# KiCad board motordecoder2-K3057.kicad_pcb (continued)
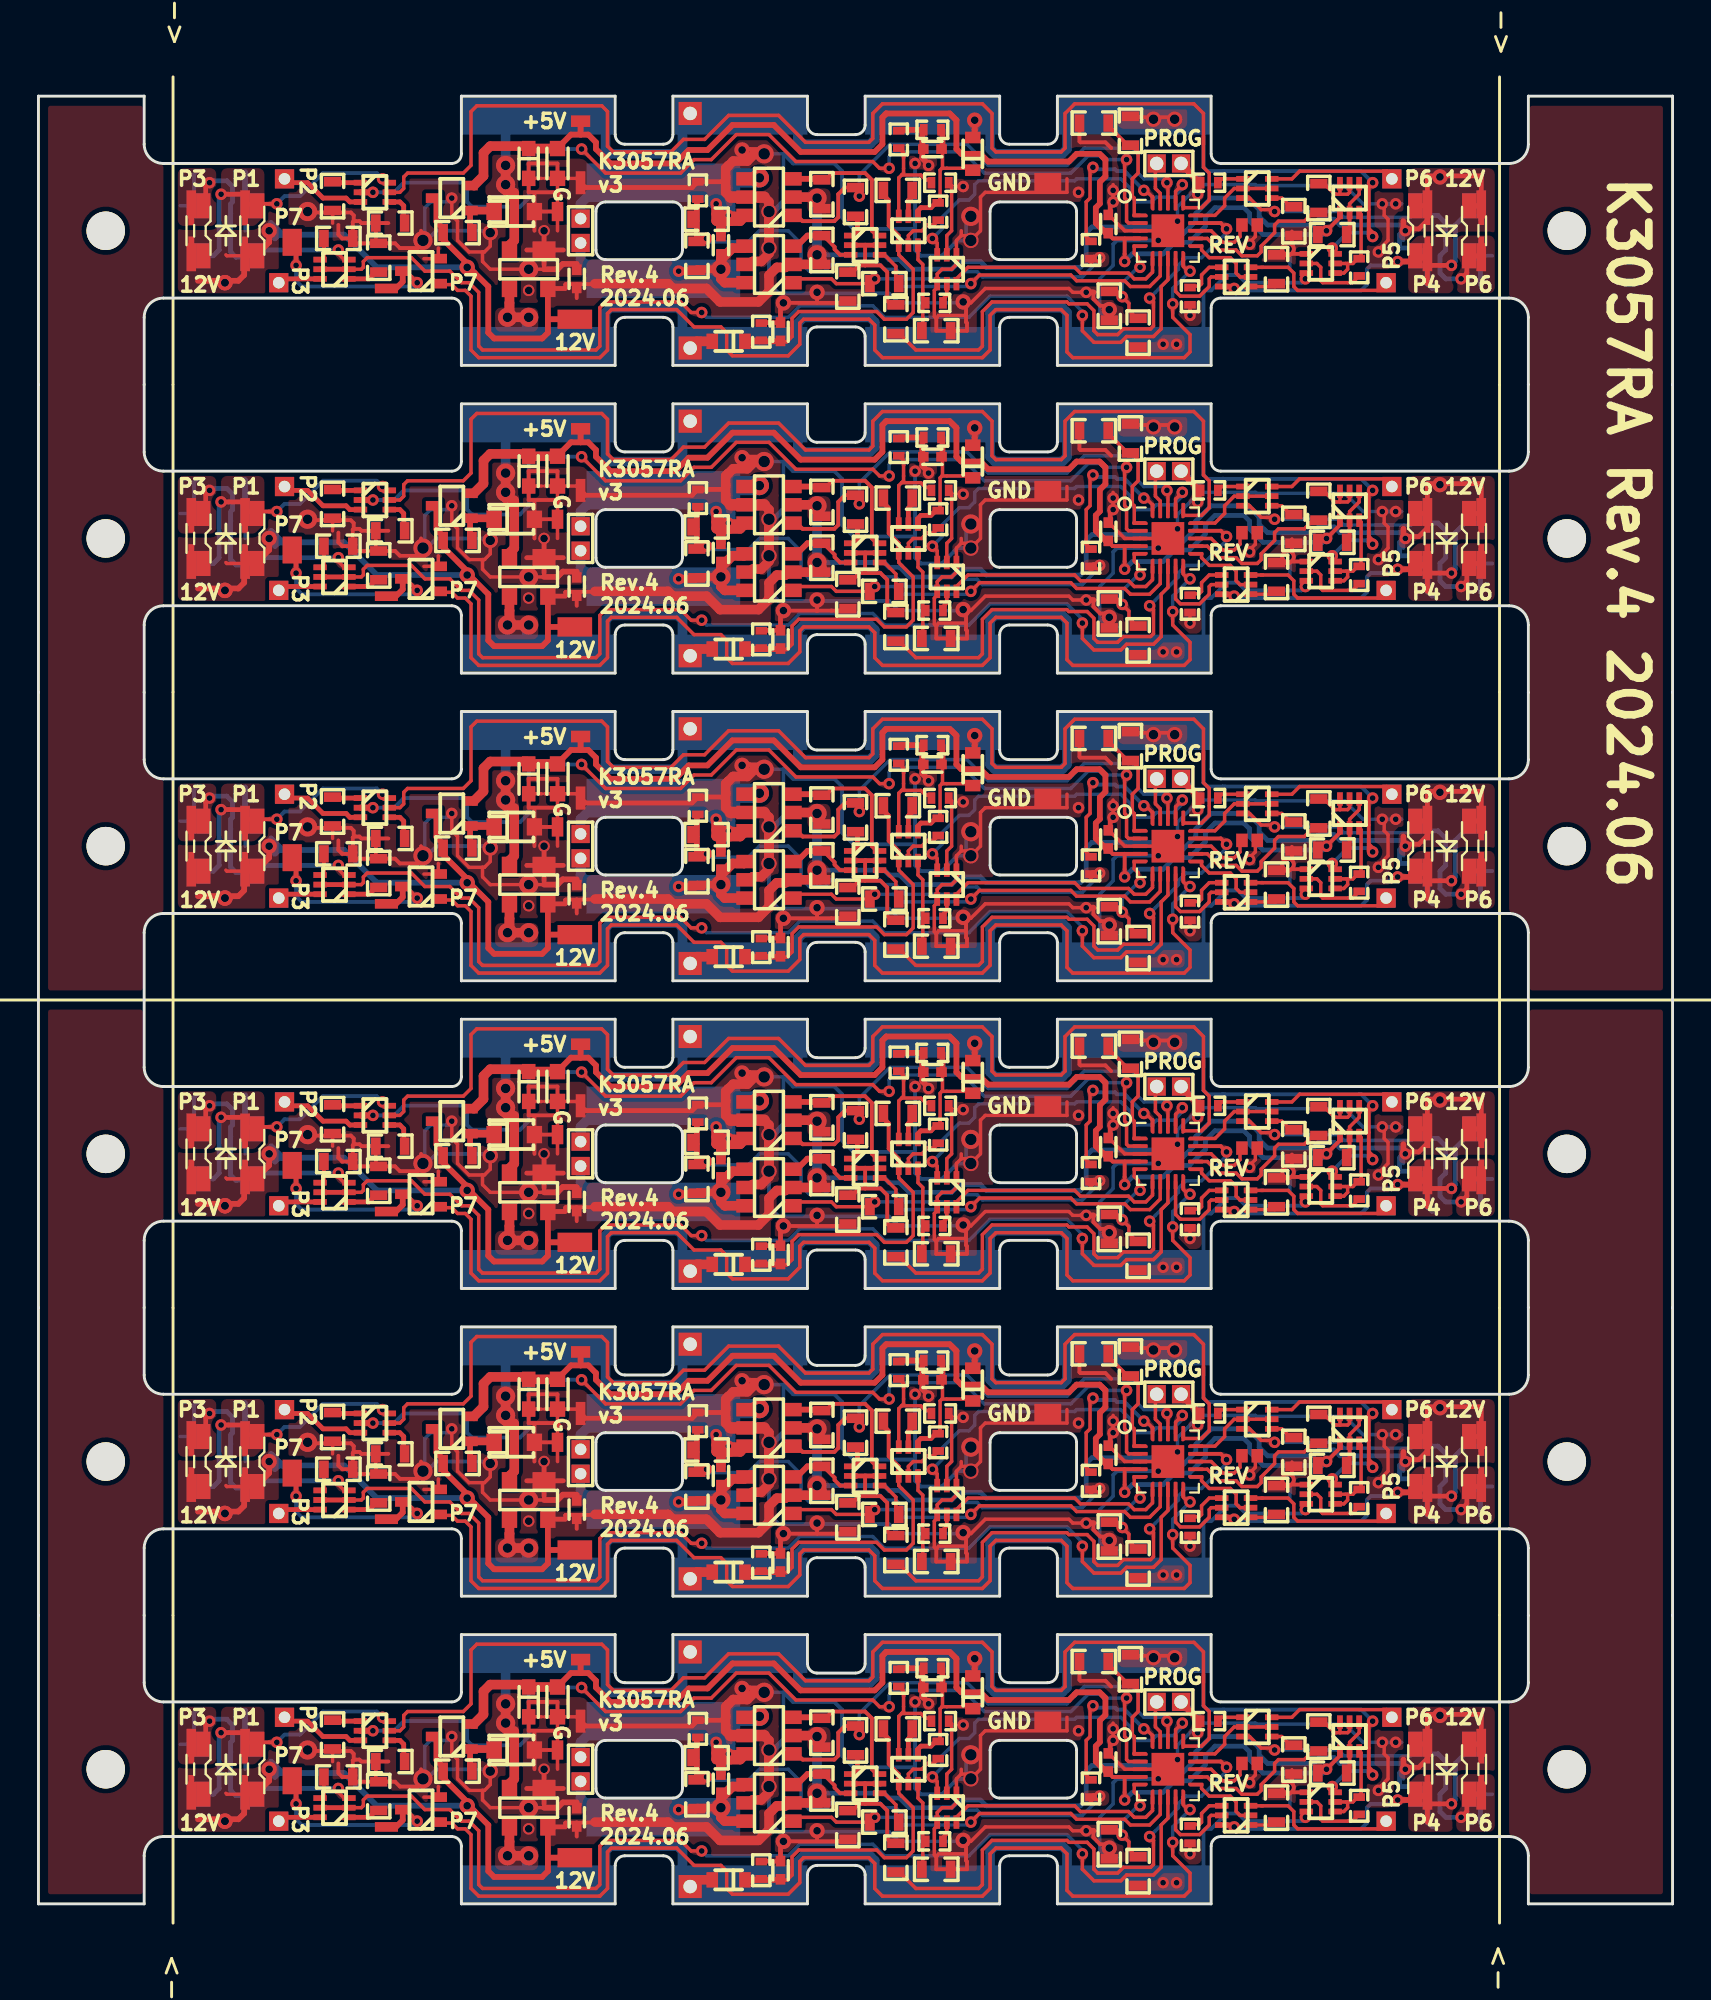
[diagram p0: board, top side]
## Nets (continued)
MOTOR-: C7.2 C10.2 C19.2 C26.2 C33.2 C40.2 P31.1 P32.2 P43.1 P44.2 P60.1 P61.2 P79.1 P80.2 P98.1 P99.2 P117.1 P118.2 Q2.4 Q2.6 Q7.4 Q7.6 Q28.4 Q28.6 Q41.4 Q41.6 Q54.4 Q54.6 Q67.4 Q67.6 R10.2 R44.2 R78.2 R112.2 R146.2 R180.2
PWM: R7.1 R41.1 R75.1 R109.1 R143.1 R177.1 U2.14 U3.14 U4.14 U5.14 U6.14 U7.14
RAIL+: D1.2 D2.2 D5.2 D7.2 D9.2 D21.2 D29.2 D39.2 D49.2 D59.2 D61.2 D71.2 P21.1 P22.1 P23.1 P24.1 P30.1 P33.1 P35.1 P36.1 P37.1 P45.1 P51.1 P52.1 P53.1 P54.1 P62.1 P70.1 P71.1 P72.1 P73.1 P81.1 P89.1 P90.1 P91.1 P92.1 P100.1 P108.1 P109.1 P110.1 P111.1 P119.1 Q8.6 Q17.6 Q32.6 Q45.6 Q58.6 Q71.6 R1.1 R19.1 R69.1 R103.1 R137.1 R171.1
RAIL-: D1.3 D2.3 D5.3 D7.3 D9.3 D22.2 D30.2 D40.2 D50.2 D60.2 D61.3 D72.2 P25.1 P26.1 P27.1 P28.1 P34.1 P38.1 P39.1 P40.1 P41.1 P46.1 P55.1 P56.1 P57.1 P58.1 P63.1 P74.1 P75.1 P76.1 P77.1 P82.1 P93.1 P94.1 P95.1 P96.1 P101.1 P112.1 P113.1 P114.1 P115.1 P120.1 Q8.3 Q17.3 Q32.3 Q45.3 Q58.3 Q71.3 R2.1 R20.1 R70.1 R104.1 R138.1 R172.1
REV: Q1.1 Q4.1 Q27.1 Q40.1 Q53.1 Q66.1 R5.2 R39.2 R73.2 R107.2 R141.2 R175.2 U2.18 U3.18 U4.18 U5.18 U6.18 U7.18
TXD: R13.2 R47.2 R81.2 R115.2 R149.2 R183.2 U2.12 U3.12 U4.12 U5.12 U6.12 U7.12
UPDI: P9.1 P15.1 P47.1 P66.1 P85.1 P104.1 U2.19 U3.19 U4.19 U5.19 U6.19 U7.19
VRAIL+: C11.1 C13.1 C20.1 C27.1 C34.1 C41.1 D21.1 D29.1 D39.1 D49.1 D59.1 D71.1 Q21.4 Q25.4 Q38.4 Q51.4 Q64.4 Q77.4 R31.2 R32.1 R61.2 R62.1 R95.2 R96.1 R129.2 R130.1 R163.2 R164.1 R197.2 R198.1
VRAIL-: C12.1 C14.1 C21.1 C28.1 C35.1 C42.1 D22.1 D30.1 D40.1 D50.1 D60.1 D72.1 Q21.1 Q25.1 Q38.1 Q51.1 Q64.1 Q77.1 R35.2 R36.1 R65.2 R66.1 R99.2 R100.1 R133.2 R134.1 R167.2 R168.1 R201.2 R202.1
Net-(D3-K): D3.1 D4.1 D6.1 D8.1 D10.1 D62.1 Q5.1 Q10.1 Q30.1 Q43.1 Q56.1 Q69.1 R12.2 R46.2 R80.2 R114.2 R148.2 R182.2
Net-(D11-K): D11.1 D13.1 D19.1 D23.1 D31.1 D33.1 D41.1 D43.1 D51.1 D53.1 D63.1 D65.1 Q11.6 Q18.6 Q33.6 Q46.6 Q59.6 Q72.6
Net-(D12-K): D12.1 D14.1 D20.1 D24.1 D32.1 D34.1 D42.1 D44.1 D52.1 D54.1 D64.1 D66.1 Q12.6 Q19.6 Q34.6 Q47.6 Q60.6 Q73.6
Net-(D15-K): D15.1 D17.1 D25.1 D27.1 D35.1 D37.1 D45.1 D47.1 D55.1 D57.1 D67.1 D69.1 Q14.3 Q23.3 Q36.3 Q49.3 Q62.3 Q75.3
Net-(D16-K): D16.1 D18.1 D26.1 D28.1 D36.1 D38.1 D46.1 D48.1 D56.1 D58.1 D68.1 D70.1 Q13.3 Q20.3 Q35.3 Q48.3 Q61.3 Q74.3
Net-(J12-Pin_1): J12.1 J13.1 J24.1 J30.1 J36.1 J42.1 Q12.3 Q19.3 Q34.3 Q47.3 Q60.3 Q73.3
Net-(J14-Pin_1): J14.1 J15.1 J25.1 J31.1 J37.1 J43.1 Q13.6 Q20.6 Q35.6 Q48.6 Q61.6 Q74.6
Net-(J16-Pin_1): J16.1 J17.1 J26.1 J32.1 J38.1 J44.1 Q14.6 Q23.6 Q36.6 Q49.6 Q62.6 Q75.6
Net-(J18-Pin_1): J18.1 J21.1 J27.1 J33.1 J39.1 J45.1 Q11.3 Q18.3 Q33.3 Q46.3 Q59.3 Q72.3
Net-(J19-Pin_1): J19.1 J20.1 J22.1 J23.1 J28.1 J29.1 J34.1 J35.1 J40.1 J41.1 J46.1 J47.1 Q15.3 Q24.3 Q37.3 Q50.3 Q63.3 Q76.3
Net-(Q1B-G): Q1.3 Q3.6 Q4.3 Q9.6 Q27.3 Q29.6 Q40.3 Q42.6 Q53.3 Q55.6 Q66.3 Q68.6 R3.2 R29.2 R71.2 R105.2 R139.2 R173.2
Net-(Q2B-G): Q2.3 Q3.3 Q7.3 Q9.3 Q28.3 Q29.3 Q41.3 Q42.3 Q54.3 Q55.3 Q67.3 Q68.3 R4.2 R30.2 R72.2 R106.2 R140.2 R174.2
Net-(Q3A-B1): Q3.2 Q3.5 Q9.2 Q9.5 Q29.2 Q29.5 Q42.2 Q42.5 Q55.2 Q55.5 Q68.2 Q68.5 R7.2 R8.1 R41.2 R42.1 R75.2 R76.1 R109.2 R110.1 R143.2 R144.1 R177.2 R178.1
Net-(Q3A-E1): Q3.1 Q9.1 Q29.1 Q42.1 Q55.1 Q68.1 R5.1 R39.1 R73.1 R107.1 R141.1 R175.1
Net-(Q3B-E2): Q3.4 Q9.4 Q29.4 Q42.4 Q55.4 Q68.4 R6.1 R40.1 R74.1 R108.1 R142.1 R176.1
Net-(Q6A-B1): Q6.2 Q6.4 Q16.2 Q16.4 Q31.2 Q31.4 Q44.2 Q44.4 Q57.2 Q57.4 Q70.2 Q70.4 R14.1 R48.1 R82.1 R116.1 R150.1 R184.1
Net-(Q6A-C1): Q6.5 Q6.6 Q16.5 Q16.6 Q31.5 Q31.6 Q44.5 Q44.6 Q57.5 Q57.6 Q70.5 Q70.6 R13.1 R47.1 R81.1 R115.1 R149.1 R183.1
Net-(Q6B-C2): Q6.3 Q8.4 Q8.5 Q16.3 Q17.4 Q17.5 Q31.3 Q32.4 Q32.5 Q44.3 Q45.4 Q45.5 Q57.3 Q58.4 Q58.5 Q70.3 Q71.4 Q71.5 R15.1 R49.1 R83.1 R117.1 R151.1 R185.1
Net-(Q8A-B1): Q8.2 Q17.2 Q32.2 Q45.2 Q58.2 Q71.2 R15.2 R49.2 R83.2 R117.2 R151.2 R185.2
Net-(Q11A-S): Q11.1 Q18.1 Q33.1 Q46.1 Q59.1 Q72.1 R21.1 R53.1 R87.1 R121.1 R155.1 R189.1
Net-(Q11B-S): Q11.4 Q18.4 Q33.4 Q46.4 Q59.4 Q72.4 R26.1 R58.1 R92.1 R126.1 R160.1 R194.1
Net-(Q12A-S): Q12.1 Q19.1 Q34.1 Q47.1 Q60.1 Q73.1 R22.1 R54.1 R88.1 R122.1 R156.1 R190.1
Net-(Q12B-S): Q12.4 Q19.4 Q34.4 Q47.4 Q60.4 Q73.4 R23.1 R55.1 R89.1 R123.1 R157.1 R191.1
Net-(Q13A-S): Q13.1 Q20.1 Q35.1 Q48.1 Q61.1 Q74.1 R24.1 R56.1 R90.1 R124.1 R158.1 R192.1
Net-(Q13B-S): Q13.4 Q20.4 Q35.4 Q48.4 Q61.4 Q74.4 R27.1 R59.1 R93.1 R127.1 R161.1 R195.1
Net-(Q14A-S): Q14.1 Q23.1 Q36.1 Q49.1 Q62.1 Q75.1 R25.1 R57.1 R91.1 R125.1 R159.1 R193.1
Net-(Q14B-S): Q14.4 Q23.4 Q36.4 Q49.4 Q62.4 Q75.4 R28.1 R60.1 R94.1 R128.1 R162.1 R196.1
Net-(Q21A-B1): Q21.2 Q25.2 Q38.2 Q51.2 Q64.2 Q77.2 R31.1 R61.1 R95.1 R129.1 R163.1 R197.1
Net-(Q21A-C1): Q21.6 Q25.6 Q38.6 Q51.6 Q64.6 Q77.6 R33.1 R34.2 R63.1 R64.2 R97.1 R98.2 R131.1 R132.2 R165.1 R166.2 R199.1 R200.2
Net-(Q21B-B2): Q21.5 Q25.5 Q38.5 Q51.5 Q64.5 Q77.5 R35.1 R65.1 R99.1 R133.1 R167.1 R201.1
Net-(Q21B-C2): Q21.3 Q25.3 Q38.3 Q51.3 Q64.3 Q77.3 R37.1 R38.2 R67.1 R68.2 R101.1 R102.2 R135.1 R136.2 R169.1 R170.2 R203.1 R204.2
Net-(Q22A-G): Q22.2 Q26.2 Q39.2 Q52.2 Q65.2 Q78.2 R34.1 R64.1 R98.1 R132.1 R166.1 R200.1
Net-(Q22B-G): Q22.5 Q26.5 Q39.5 Q52.5 Q65.5 Q78.5 R38.1 R68.1 R102.1 R136.1 R170.1 R204.1
Net-(R10-Pad1): R9.1 R10.1 R11.2 R16.1 R43.1 R44.1 R45.2 R50.1 R77.1 R78.1 R79.2 R84.1 R111.1 R112.1 R113.2 R118.1 R145.1 R146.1 R147.2 R152.1 R179.1 R180.1 R181.2 R186.1
Net-(U2-PA2): R1.2 R17.1 R19.2 R51.1 R69.2 R85.1 R103.2 R119.1 R137.2 R153.1 R171.2 R187.1 U2.1 U3.1 U4.1 U5.1 U6.1 U7.1
Net-(U2-PA4): R2.2 R18.1 R20.2 R52.1 R70.2 R86.1 R104.2 R120.1 R138.2 R154.1 R172.2 R188.1 U2.5 U3.5 U4.5 U5.5 U6.5 U7.5

## Via types
v1: diameter 0.6, hole 0.3, Top to Bottom, 372 vias
v2: diameter 1, hole 0.5, Top to Bottom, 60 vias
v3: diameter 0.8, hole 0.5, Top to Bottom, 18 vias
v4: diameter 0.8, hole 0.4, Top to Bottom, 72 vias
v5: diameter 1, hole 0.6, Top to Bottom, 18 vias
v6: diameter 0.8, hole 0.6, Top to Bottom, 18 vias
v7: diameter 0.6, hole 0.4, Top to Bottom, 12 vias

## Routing (per net, layer and track width the routed paths; a pad name or vN(x,y) marks a point on that pad's centre or on a via; arc(x,y) is an arc through that point)
+5V: length 394.4
  Top w0.18: U7.4 55.88,6.6 ; U6.4 55.88,22.6 ; U5.4 55.88,38.6 ; 55.88,54.6 U4.4 ; 55.88,70.6 U3.4 ; 55.88,86.6 U2.4
  Top w0.2: v1(56.5,21.4) 56.5,22.6 ; 56.5,38.6 v1(56.5,37.4) ; 55.75,54.72 55.88,54.6 U4.4 ; v1(56.5,69.4) 56.5,70.6 ; Q57.1 67.7,23.7 v1(67,23) ; 55.75,86.72 55.88,86.6 U2.4 ; U7.4 55.88,6.6 55.75,6.72 ; 56.5,6.6 v1(56.5,5.4) ; 56.5,86.6 v1(56.5,85.4) ; 56.5,54.6 v1(56.5,53.4) ; Q6.1 67.7,87.7 v1(67,87) ; Q70.1 67.7,7.7 v1(67,7) ; v1(67,39) 67.7,39.7 Q44.1 ; v1(67,55) 67.7,55.7 Q31.1 ; 55.75,70.72 55.88,70.6 U3.4 ; U5.4 55.88,38.6 55.75,38.72 ; U6.4 55.88,22.6 55.75,22.72 ; v1(67,71) 67.7,71.7 Q16.1
  Top w0.25: v1(67,23) 66.47,23 ; v1(67,7) 66.47,7 ; v1(67,87) 66.47,87 ; v1(67,71) 66.47,71 ; v1(67,55) 66.47,55 ; v1(67,39) 66.47,39
  Top w0.3: 28.2,60 P48.1 ; 28.2,60 27.7,60 27,59.3 C16.1 ; 28.2,60 28.6,60 29,59.6 29,59.25 29.75,58.5 33.12,58.5 33.83,59.2 34.8,59.2 36.1,60.5 38.25,60.5 39.65,59.1 43.5,59.1 43.9,59.5 43.9,60.9 44.1,61.1 ; 55.5,26.7 55.5,25.83 55.21,25.54 55.21,24.41 55,24.2 55,23.4 55.53,22.88 C32.1 ; 55.5,26.7 55.3,26.9 ; 55.5,26.7 55.2,27 54,27 53.6,26.6 49.4,26.6 49,27 48,27 47.75,27.25 47.75,28.75 ; C37.1 27,11.3 27.7,12 28.2,12 ; 28.2,92 P10.1 ; 28.2,92 28.6,92 29,91.6 29,91.25 29.75,90.5 33.12,90.5 33.83,91.2 34.8,91.2 36.1,92.5 38.25,92.5 39.65,91.1 43.5,91.1 43.9,91.5 43.9,92.9 44.1,93.1 ; 28.2,92 27.7,92 27,91.3 C3.1 ; 28.2,12 28.6,12 29,11.6 29,11.25 29.75,10.5 33.12,10.5 33.83,11.2 34.8,11.2 36.1,12.5 38.25,12.5 39.65,11.1 43.5,11.1 43.9,11.5 43.9,12.9 44.1,13.1 ; 28.2,12 P105.1 ; 47.5,93 47.75,92.75 ; 47.75,92.75 47.75,91.25 48,91 49,91 49.4,90.6 53.6,90.6 54,91 55.2,91 55.5,90.7 ; 47.75,92.75 47.4,93.1 44.1,93.1 ; 55.5,74.7 55.5,73.83 55.21,73.54 55.21,72.41 55,72.2 55,71.4 55.53,70.88 C9.1 ; 55.5,74.7 55.3,74.9 ; 55.5,74.7 55.2,75 54,75 53.6,74.6 49.4,74.6 49,75 48,75 47.75,75.25 47.75,76.75 ; 47.5,77 47.75,76.75 ; 47.75,76.75 47.4,77.1 44.1,77.1 ; 55.5,90.7 55.3,90.9 ; 55.5,90.7 55.5,89.83 55.21,89.54 55.21,88.41 55,88.2 55,87.4 55.53,86.88 C5.1 ; 44.1,13.1 44,13 ; 44.1,13.1 47.4,13.1 47.75,12.75 ; 44.1,93.1 44,93 ; C25.1 55.53,38.88 55,39.4 55,40.2 55.21,40.41 55.21,41.54 55.5,41.83 55.5,42.7 ; 47.75,28.75 47.4,29.1 44.1,29.1 ; 47.75,28.75 47.5,29 ; Q30.2 22.65,57.35 ; 28.2,44 28.6,44 29,43.6 29,43.25 29.75,42.5 33.12,42.5 33.83,43.2 34.8,43.2 36.1,44.5 38.25,44.5 39.65,43.1 43.5,43.1 43.9,43.5 43.9,44.9 44.1,45.1 ; 28.2,44 P67.1 ; 28.2,44 27.7,44 27,43.3 C23.1 ; C30.1 27,27.3 27.7,28 28.2,28 ; 28.2,28 28.6,28 29,27.6 29,27.25 29.75,26.5 33.12,26.5 33.83,27.2 34.8,27.2 36.1,28.5 38.25,28.5 39.65,27.1 43.5,27.1 43.9,27.5 43.9,28.9 44.1,29.1 ; 28.2,28 P86.1 ; 25.38,91.4 C4.1 ; 47.75,44.75 47.4,45.1 44.1,45.1 ; 47.75,44.75 47.5,45 ; 47.75,44.75 47.75,43.25 48,43 49,43 49.4,42.6 53.6,42.6 54,43 55.2,43 55.5,42.7 ; 25.38,43.4 C24.1 ; 55.5,58.7 55.5,57.83 55.21,57.54 55.21,56.41 55,56.2 55,55.4 55.53,54.88 C18.1 ; 55.5,58.7 55.2,59 54,59 53.6,58.6 49.4,58.6 49,59 48,59 47.75,59.25 47.75,60.75 ; 55.5,58.7 55.3,58.9 ; 55.5,42.7 55.3,42.9 ; 47.5,13 47.75,12.75 ; 47.75,12.75 47.75,11.25 48,11 49,11 49.4,10.6 53.6,10.6 54,11 55.2,11 55.5,10.7 ; 47.5,61 47.75,60.75 ; 47.75,60.75 47.4,61.1 44.1,61.1 ; Q43.2 22.65,41.35 ; 44.1,61.1 44,61 ; 28.2,76 P16.1 ; 28.2,76 28.6,76 29,75.6 29,75.25 29.75,74.5 33.12,74.5 33.83,75.2 34.8,75.2 36.1,76.5 38.25,76.5 39.65,75.1 43.5,75.1 43.9,75.5 43.9,76.9 44.1,77.1 ; 28.2,76 27.7,76 27,75.3 C6.1 ; 55.5,10.7 55.3,10.9 ; 55.5,10.7 55.5,9.83 55.21,9.54 55.21,8.41 55,8.2 55,7.4 55.53,6.88 C39.1 ; 44.1,45.1 44,45 ; 44.1,29.1 44,29 ; Q56.2 22.65,25.35 ; 25.38,27.4 C31.1 ; Q5.2 22.65,89.35 ; 44.1,77.1 44,77 ; 25.38,11.4 C38.1 ; Q10.2 22.65,73.35 ; 25.38,75.4 C8.1 ; Q69.2 22.65,9.35 ; 25.38,59.4 C17.1
  Top w0.5: 22.65,9.35 23.15,9.85 23.15,11.05 23.5,11.4 25.38,11.4 ; 22.65,89.35 23.15,89.85 23.15,91.05 23.5,91.4 25.38,91.4 ; 22.65,57.35 23.15,57.85 23.15,59.05 23.5,59.4 25.38,59.4 ; C6.1 C8.1 ; 25.38,43.4 23.5,43.4 23.15,43.05 23.15,41.85 22.65,41.35 ; C3.1 C4.1 ; 25.38,75.4 23.5,75.4 23.15,75.05 23.15,73.85 22.65,73.35 ; 25.38,27.4 23.5,27.4 23.15,27.05 23.15,25.85 22.65,25.35 ; C23.1 C24.1 ; C16.1 C17.1 ; C30.1 C31.1 ; C37.1 C38.1
  Bottom w0.25: v1(56.5,5.4) 56.9,5.8 58.5,5.8 59.1,6.4 59.87,6.4 60.7,7.23 60.7,7.7 61.2,8.2 62.7,8.2 63,7.9 63,7.5 63.7,6.8 66.8,6.8 v1(67,7) ; v1(67,23) 66.8,22.8 63.7,22.8 63,23.5 63,23.9 62.7,24.2 61.2,24.2 60.7,23.7 60.7,23.23 59.87,22.4 59.1,22.4 58.5,21.8 56.9,21.8 v1(56.5,21.4) ; v1(56.5,53.4) 56.9,53.8 58.5,53.8 59.1,54.4 59.87,54.4 60.7,55.23 60.7,55.7 61.2,56.2 62.7,56.2 63,55.9 63,55.5 63.7,54.8 66.8,54.8 v1(67,55) ; v1(56.5,85.4) 56.9,85.8 58.5,85.8 59.1,86.4 59.87,86.4 60.7,87.23 60.7,87.7 61.2,88.2 62.7,88.2 63,87.9 63,87.5 63.7,86.8 66.8,86.8 v1(67,87) ; v1(67,71) 66.8,70.8 63.7,70.8 63,71.5 63,71.9 62.7,72.2 61.2,72.2 60.7,71.7 60.7,71.23 59.87,70.4 59.1,70.4 58.5,69.8 56.9,69.8 v1(56.5,69.4) ; v1(67,39) 66.8,38.8 63.7,38.8 63,39.5 63,39.9 62.7,40.2 61.2,40.2 60.7,39.7 60.7,39.23 59.87,38.4 59.1,38.4 58.5,37.8 56.9,37.8 v1(56.5,37.4)
+12V: length 727
  Top w0.18: D41.2 10.75,37.83 10.88,37.7 9.8,37.7 9.75,37.75 ; 9.75,21.75 9.8,21.7 10.88,21.7 10.75,21.83 D51.2 ; 72.12,8.3 72.25,8.17 D64.2 ; D63.2 10.75,5.83 10.88,5.7 9.8,5.7 9.75,5.75 ; D20.2 72.25,72.17 72.12,72.3 ; D19.2 10.75,69.83 10.88,69.7 9.8,69.7 9.75,69.75 ; 9.75,85.75 9.8,85.7 10.88,85.7 10.75,85.83 D11.2 ; D12.2 72.25,88.17 72.12,88.3 ; D32.2 72.25,56.17 72.12,56.3 ; D52.2 72.25,24.17 72.12,24.3 ; D31.2 10.75,53.83 10.88,53.7 9.8,53.7 9.75,53.75 ; 72.12,40.3 72.25,40.17 D42.2
  Top w0.2: 28,52.22 27.42,52.22 27.4,52.2 27.4,52 ; 28,52.22 28.92,52.22 28.95,52.25 ; 28,52.22 28,51.5 ; 26.72,68.22 D2.4 ; 28.95,68.25 28.92,68.22 28,68.22 ; 27.4,68 27.4,68.2 27.42,68.22 28,68.22 ; 28,4.22 28,3.5 ; 28,4.22 28.92,4.22 28.95,4.25 ; 28,4.22 27.42,4.22 27.4,4.2 27.4,4 ; 28,68.22 28,67.5 ; 28,36.22 27.42,36.22 27.4,36.2 27.4,36 ; 28,36.22 28.92,36.22 28.95,36.25 ; 28,36.22 28,35.5 ; 28.95,84.25 28.92,84.22 28,84.22 ; 26.72,52.22 D5.4 ; 26.72,20.22 D9.4 ; 28,20.22 28,19.5 ; 28,20.22 27.42,20.22 27.4,20.2 27.4,20 ; 28,20.22 28.92,20.22 28.95,20.25 ; 28,84.22 27.42,84.22 27.4,84.2 27.4,84 ; 28,84.22 28,83.5 ; 26.72,84.22 D1.4 ; 26.72,4.22 D61.4 ; 26.72,36.22 D7.4
  Top w0.25: D20.2 72.18,72.3 D20.2 ; D20.2 D20.2 71.8,71.1 71,71.1 ; D20.2 72.25,73.85 75.05,73.85 D27.2 ; D27.2 74.97,72.3 D27.2 ; D27.2 D27.2 ; D32.2 72.18,56.3 D32.2 ; D32.2 72.25,57.85 75.05,57.85 D37.2 ; D32.2 D32.2 71.8,55.1 71,55.1 ; D2.4 27.4,68 ; D12.2 72.25,89.85 75.05,89.85 D17.2 ; D12.2 D12.2 71.8,87.1 71,87.1 ; D12.2 72.18,88.3 D12.2 ; D37.2 D37.2 ; D37.2 74.97,56.3 D37.2 ; D69.2 74.97,8.3 D69.2 ; 72.12,8.12 72.12,8.3 72.3,8.47 ; D52.2 72.18,24.3 D52.2 ; 72.12,24.12 72.12,24.3 72.3,24.47 ; 71,7.1 71.8,7.1 D64.2 D64.2 ; D57.2 75.05,25.85 72.25,25.85 D52.2 ; D57.2 D57.2 ; D57.2 74.97,24.3 D57.2 ; 72.12,72.12 72.12,72.3 72.3,72.47 ; D69.2 75.05,9.85 72.25,9.85 D64.2 ; D69.2 D69.2 ; 72.3,88.47 72.12,88.3 72.12,88.12 ; D17.2 D17.2 ; D17.2 74.97,88.3 D17.2 ; D47.2 74.97,40.3 D47.2 ; D47.2 D47.2 ; D47.2 75.05,41.85 72.25,41.85 D42.2 ; D52.2 D52.2 71.8,23.1 71,23.1 ; 71,39.1 71.8,39.1 D42.2 D42.2 ; D64.2 72.18,8.3 D64.2 ; D42.2 72.18,40.3 D42.2 ; 72.3,56.47 72.12,56.3 72.12,56.12 ; 72.3,40.47 72.12,40.3 72.12,40.12 ; D7.4 27.4,36 ; D61.4 27.4,4 ; D1.4 27.4,84 ; D5.4 27.4,52 ; D9.4 27.4,20
  Top w0.3: v4(22.3,69.1) 22.3,69.3 21.05,70.55 21.05,71.12 20.7,71.47 20.7,72.55 Q10.3 ; v4(22.3,69.1) 22.3,69.2 ; v4(22.3,69.1) 22.4,69.1 23.4,68.1 23.4,65.7 23.7,65.4 26.2,65.4 26.5,65.7 26.5,66.4 ; 26.5,66.4 P13.1 ; 26.5,66.4 D2.4 26.5,68.25 ; v4(22.3,37.1) 22.3,37.3 21.05,38.55 21.05,39.12 20.7,39.47 20.7,40.55 Q43.3 ; v4(22.3,37.1) 22.3,37.2 ; v4(22.3,37.1) 22.4,37.1 23.4,36.1 23.4,33.7 23.7,33.4 26.2,33.4 26.5,33.7 26.5,34.4 ; D31.2 11.38,53.78 12,54.4 v4(12,55) ; 26.5,82.4 P7.1 ; 26.5,82.4 26.5,81.7 26.2,81.4 23.7,81.4 23.4,81.7 23.4,84.1 22.4,85.1 v4(22.3,85.1) ; 26.5,82.4 D1.4 26.5,84.25 ; 71,87.1 71,87.5 ; 26.5,18.4 26.5,17.7 26.2,17.4 23.7,17.4 23.4,17.7 23.4,20.1 22.4,21.1 v4(22.3,21.1) ; 26.5,18.4 D9.4 26.5,20.25 ; 26.5,18.4 P83.1 ; 71,71.1 71,71.5 ; v4(22.3,21.1) 22.3,21.3 21.05,22.55 21.05,23.12 20.7,23.47 20.7,24.55 Q56.3 ; v4(22.3,21.1) 22.3,21.2 ; 26.5,50.4 D5.4 26.5,52.25 ; 26.5,50.4 P19.1 ; 26.5,50.4 26.5,49.7 26.2,49.4 23.7,49.4 23.4,49.7 23.4,52.1 22.4,53.1 v4(22.3,53.1) ; 10.88,53.97 10.88,53.7 10.7,53.53 10.7,52.7 10.4,52.4 8.3,52.4 ; v4(12,23) 12,22.4 11.38,21.78 D51.2 ; 26.5,34.4 D7.4 26.5,36.25 ; 26.5,34.4 P64.1 ; v4(22.3,53.1) 22.3,53.2 ; v4(22.3,53.1) 22.3,53.3 21.05,54.55 21.05,55.12 20.7,55.47 20.7,56.55 Q30.3 ; 10.88,37.97 10.88,37.7 10.7,37.53 10.7,36.7 10.4,36.4 8.3,36.4 ; 71.62,24.12 D52.2 ; D11.2 11.38,85.78 12,86.4 v4(12,87) ; 71.62,40.12 D42.2 ; v4(22.3,85.1) 22.3,85.2 ; v4(22.3,85.1) 22.3,85.3 21.05,86.55 21.05,87.12 20.7,87.47 20.7,88.55 Q5.3 ; 10.88,21.97 10.88,21.7 10.7,21.53 10.7,20.7 10.4,20.4 8.3,20.4 ; v4(12,7) 12,6.4 11.38,5.78 D63.2 ; 26.5,2.4 P102.1 ; 26.5,2.4 D61.4 26.5,4.25 ; 26.5,2.4 26.5,1.7 26.2,1.4 23.7,1.4 23.4,1.7 23.4,4.1 22.4,5.1 v4(22.3,5.1) ; 8.3,84.4 10.4,84.4 10.7,84.7 10.7,85.53 10.88,85.7 10.88,85.97 ; 71,39.1 71,39.5 ; 71.62,8.12 D64.2 ; 71,55.1 71,55.5 ; D41.2 11.38,37.78 12,38.4 v4(12,39) ; v4(12,71) 12,70.4 11.38,69.78 D19.2 ; v4(22.3,5.1) 22.3,5.3 21.05,6.55 21.05,7.12 20.7,7.47 20.7,8.55 Q69.3 ; v4(22.3,5.1) 22.3,5.2 ; 8.3,68.4 10.4,68.4 10.7,68.7 10.7,69.53 10.88,69.7 10.88,69.97 ; 8.3,4.4 10.4,4.4 10.7,4.7 10.7,5.53 10.88,5.7 10.88,5.97 ; 71.62,88.12 D12.2 ; 71.62,56.12 D32.2 ; 71.62,72.12 D20.2 ; 71,23.1 71,23.5 ; 71,7.1 71,7.5
  Top w0.5: 40.67,21.25 Q54.2 39,21.25 38.84,21.09 38.41,21.09 38,20.69 38,19.85 37.45,19.3 35.45,19.3 34.75,20 33,20 32.75,20.25 28.95,20.25 ; 40.75,5.28 40.75,5.5 v2(40.5,5.75) ; 28.95,68.25 32.75,68.25 33,68 34.75,68 35.45,67.3 37.45,67.3 38,67.85 38,68.69 38.41,69.09 38.84,69.09 39,69.25 Q7.2 40.67,69.25 ; 40.5,56.42 40.5,56.5 40.25,56.75 Q27.2 ; Q53.2 40.25,24.75 40.5,24.5 40.5,24.42 ; 40.75,37.28 40.75,37.5 v2(40.5,37.75) ; 28.95,4.25 32.75,4.25 33,4 34.75,4 35.45,3.3 37.45,3.3 38,3.85 38,4.69 38.41,5.09 38.84,5.09 39,5.25 Q67.2 40.67,5.25 ; 40.75,53.28 40.75,53.5 v2(40.5,53.75) ; 28.95,52.25 32.75,52.25 33,52 34.75,52 35.45,51.3 37.45,51.3 38,51.85 38,52.69 38.41,53.09 38.84,53.09 39,53.25 Q28.2 40.67,53.25 ; 40.75,21.28 40.75,21.5 v2(40.5,21.75) ; 28.95,36.25 32.75,36.25 33,36 34.75,36 35.45,35.3 37.45,35.3 38,35.85 38,36.69 38.41,37.09 38.84,37.09 39,37.25 Q41.2 40.67,37.25 ; Q40.2 40.25,40.75 40.5,40.5 40.5,40.42 ; 40.67,85.25 Q2.2 39,85.25 38.84,85.09 38.41,85.09 38,84.69 38,83.85 37.45,83.3 35.45,83.3 34.75,84 33,84 32.75,84.25 28.95,84.25 ; 40.75,85.28 40.75,85.5 v2(40.5,85.75) ; 40.75,69.28 40.75,69.5 v2(40.5,69.75) ; 40.5,72.42 40.5,72.5 40.25,72.75 Q4.2 ; 40.5,8.42 40.5,8.5 40.25,8.75 Q66.2 ; 40.5,88.42 40.5,88.5 40.25,88.75 Q1.2
  Bottom w0.18: 10.75,55 D36.2 10.75,56.17 10.88,56.3 ; 8,71.55 8,72.17 8.12,72.3 7.38,72.3 ; 71,22.5 71,23.1 ; 10.88,8.3 10.75,8.17 D68.2 10.75,7 ; 8,87.55 8,88.17 8.12,88.3 7.38,88.3 ; 10.88,72.3 10.75,72.17 D26.2 10.75,71 ; 72.12,69.7 72.25,69.83 D25.2 ; 10.75,23 D56.2 10.75,24.17 10.88,24.3 ; 8,7.55 8,8.17 8.12,8.3 7.38,8.3 ; 71,38.5 71,39.1 ; 71,6.5 71,7.1 ; 72.12,53.7 72.25,53.83 D35.2 ; 7.38,40.3 8.12,40.3 8,40.17 8,39.55 ; 72.12,85.7 72.25,85.83 D15.2 ; 8,23.55 8,24.17 8.12,24.3 7.38,24.3 ; 10.88,40.3 10.75,40.17 D46.2 10.75,39 ; 72.12,5.7 72.25,5.83 D67.2 ; 71,54.5 71,55.1 ; 10.88,88.3 10.75,88.17 D16.2 10.75,87 ; 71,70.5 71,71.1 ; 8,55.55 8,56.17 8.12,56.3 7.38,56.3 ; D55.2 72.25,21.83 72.12,21.7 ; 72.12,37.7 72.25,37.83 D45.2 ; 71,86.5 71,87.1
  Bottom w0.2: 10.88,40.3 10.88,40.67 ; 72.3,85.53 72.12,85.7 ; 72.3,69.53 72.12,69.7 ; 8.12,8.3 8.1,8.33 8.1,9.94 8.26,10.1 ; 75.62,85.7 74.88,85.7 75,85.83 75,86.45 ; 75.62,5.7 74.88,5.7 75,5.83 75,6.45 ; 10.88,24.3 10.88,24.67 ; 10.88,72.3 10.88,72.67 ; 75,22.45 75,21.83 74.88,21.7 75.62,21.7 ; 8.12,88.3 8.1,88.33 8.1,89.94 8.26,90.1 ; 72.3,21.53 72.12,21.7 ; 10.88,56.3 10.88,56.67 ; 75.62,69.7 74.88,69.7 75,69.83 75,70.45 ; 75.62,53.7 74.88,53.7 75,53.83 75,54.45 ; 10.88,8.3 10.88,8.67 ; 8.26,74.1 8.1,73.94 8.1,72.33 8.12,72.3 ; 75.62,37.7 74.88,37.7 75,37.83 75,38.45 ; 8.26,42.1 8.1,41.94 8.1,40.33 8.12,40.3 ; 8.26,26.1 8.1,25.94 8.1,24.33 8.12,24.3 ; 8.26,58.1 8.1,57.94 8.1,56.33 8.12,56.3 ; 72.3,53.53 72.12,53.7 ; 72.3,5.53 72.12,5.7 ; 10.88,88.3 10.88,88.67 ; 72.3,37.53 72.12,37.7
  Bottom w0.25: 75,84.2 75,85.53 ; v1(71.1,23) 71.2,23 70.9,23.3 67.7,23.3 67.4,23.6 66.6,23.6 66.3,23.3 63.93,23.3 63.5,23.73 63.5,24.1 62.9,24.7 61,24.7 60.2,23.9 60.2,23.5 59.55,22.85 58.95,22.85 58.6,23.2 54.8,23.2 54.5,22.9 54.5,21.4 54.2,21.1 49.3,21.1 49,21.4 47.9,21.4 47.5,21 45.3,21 44.8,21.5 44.25,21.5 44,21.75 v2(40.5,21.75) ; 71.5,54.1 70.8,54.1 70.8,54.8 71,55 71,55.1 ; 72.3,20.45 72.3,20.2 72.5,20 ; v1(71.1,71) 71.2,71 70.9,71.3 67.7,71.3 67.4,71.6 66.6,71.6 66.3,71.3 63.93,71.3 63.5,71.73 63.5,72.1 62.9,72.7 61,72.7 60.2,71.9 60.2,71.5 59.55,70.85 58.95,70.85 58.6,71.2 54.8,71.2 54.5,70.9 54.5,69.4 54.2,69.1 49.3,69.1 49,69.4 47.9,69.4 47.5,69 45.3,69 44.8,69.5 44.25,69.5 44,69.75 v2(40.5,69.75) ; 74.7,53.53 74.88,53.7 ; v1(71.1,39) 71.2,39 70.9,39.3 67.7,39.3 67.4,39.6 66.6,39.6 66.3,39.3 63.93,39.3 63.5,39.73 63.5,40.1 62.9,40.7 61,40.7 60.2,39.9 60.2,39.5 59.55,38.85 58.95,38.85 58.6,39.2 54.8,39.2 54.5,38.9 54.5,37.4 54.2,37.1 49.3,37.1 49,37.4 47.9,37.4 47.5,37 45.3,37 44.8,37.5 44.25,37.5 44,37.75 v2(40.5,37.75) ; 75,4.2 75,5.53 ; v2(40.5,53.75) 44,53.75 44.25,53.5 44.8,53.5 45.3,53 47.5,53 47.9,53.4 49,53.4 49.3,53.1 54.2,53.1 54.5,53.4 54.5,54.9 54.8,55.2 58.6,55.2 58.95,54.85 59.55,54.85 60.2,55.5 60.2,55.9 61,56.7 62.9,56.7 63.5,56.1 63.5,55.73 63.93,55.3 66.3,55.3 66.6,55.6 67.4,55.6 67.7,55.3 70.9,55.3 71.2,55 v1(71.1,55) ; 72.3,4.45 72.3,4.2 72.5,4 ; 74.7,5.53 74.88,5.7 ; 72.5,36 72.3,36.2 72.3,36.45 ; v2(40.5,5.75) 44,5.75 44.25,5.5 44.8,5.5 45.3,5 47.5,5 47.9,5.4 49,5.4 49.3,5.1 54.2,5.1 54.5,5.4 54.5,6.9 54.8,7.2 58.6,7.2 58.95,6.85 59.55,6.85 60.2,7.5 60.2,7.9 61,8.7 62.9,8.7 63.5,8.1 63.5,7.73 63.93,7.3 66.3,7.3 66.6,7.6 67.4,7.6 67.7,7.3 70.9,7.3 71.2,7 v1(71.1,7) ; 71.5,22.1 70.8,22.1 70.8,22.8 71,23 71,23.1 ; 72.3,52.45 72.3,52.2 72.5,52 ; 71.5,70.1 70.8,70.1 70.8,70.8 71,71 71,71.1 ; 75,68.2 75,69.53 ; 75,20.2 75,21.53 ; 72.12,38.08 72.12,37.7 ; 71.5,6.1 70.8,6.1 70.8,6.8 71,7 71,7.1 ; 72.12,70.08 72.12,69.7 ; v1(71.1,87) 71.2,87 70.9,87.3 67.7,87.3 67.4,87.6 66.6,87.6 66.3,87.3 63.93,87.3 63.5,87.73 63.5,88.1 62.9,88.7 61,88.7 60.2,87.9 60.2,87.5 59.55,86.85 58.95,86.85 58.6,87.2 54.8,87.2 54.5,86.9 54.5,85.4 54.2,85.1 49.3,85.1 49,85.4 47.9,85.4 47.5,85 45.3,85 44.8,85.5 44.25,85.5 44,85.75 v2(40.5,85.75) ; 74.7,37.53 74.88,37.7 ; 71.5,38.1 70.8,38.1 70.8,38.8 71,39 71,39.1 ; 74.7,85.53 74.88,85.7 ; 72.12,22.08 72.12,21.7 ; 71,87.1 71,87 70.8,86.8 70.8,86.1 71.5,86.1 ; 72.5,84 72.3,84.2 72.3,84.45 ; 74.7,69.53 74.88,69.7 ; 72.12,86.08 72.12,85.7 ; 74.7,21.53 74.88,21.7 ; 72.5,68 72.3,68.2 72.3,68.45 ; 75,52.2 75,53.53 ; 72.12,54.08 72.12,53.7 ; 72.12,6.08 72.12,5.7 ; 75,36.2 75,37.53
  Bottom w0.3: 12.7,38.8 12.5,38.8 12.3,38.6 ; 12.7,38.8 12.1,38.8 ; 12.7,38.8 12.1,39.4 ; 12.7,38.8 15.9,38.8 17.6,37.1 v4(22.3,37.1) ; 12.7,70.8 15.9,70.8 17.6,69.1 v4(22.3,69.1) ; 12.7,70.8 12.1,70.8 ; 12.7,70.8 12.1,71.4 ; 12.7,70.8 12.5,70.8 12.3,70.6 ; 12.7,6.8 12.1,6.8 ; 12.7,6.8 15.9,6.8 17.6,5.1 v4(22.3,5.1) ; 12.7,6.8 12.5,6.8 12.3,6.6 ; 12.7,6.8 12.1,7.4 ; 72.3,4.2 72.25,4.25 D67.2 71.7,5.62 D67.2 ; 10.88,24.12 10.88,24.3 ; 12.7,22.8 12.1,22.8 ; 12.7,22.8 12.1,23.4 ; 12.7,22.8 12.5,22.8 12.3,22.6 ; 12.7,22.8 15.9,22.8 17.6,21.1 v4(22.3,21.1) ; D46.2 10.75,42.05 ; D56.2 10.75,26.05 ; 72.3,36.2 72.25,36.25 D45.2 71.7,37.62 D45.2 ; D35.2 71.7,53.62 D35.2 72.25,52.25 72.3,52.2 ; D25.2 71.7,69.62 D25.2 72.25,68.25 72.3,68.2 ; 12.7,86.8 12.5,86.8 12.3,86.6 ; 12.7,86.8 12.1,87.4 ; 12.7,86.8 15.9,86.8 17.6,85.1 v4(22.3,85.1) ; 12.7,86.8 12.1,86.8 ; 10.88,8.12 10.88,8.3 ; 72.3,20.2 72.25,20.25 D55.2 71.7,21.62 D55.2 ; 12.7,54.8 15.9,54.8 17.6,53.1 v4(22.3,53.1) ; 12.7,54.8 12.5,54.8 12.3,54.6 ; 12.7,54.8 12.1,55.4 ; 12.7,54.8 12.1,54.8 ; 10.88,56.12 10.88,56.3 ; 72.3,84.2 72.25,84.25 D15.2 71.7,85.62 D15.2 ; D26.2 10.75,74.05 ; 10.88,88.12 10.88,88.3 ; D68.2 10.75,10.05 ; D36.2 10.75,58.05 ; 10.88,72.12 10.88,72.3 ; D16.2 10.75,90.05 ; 10.88,40.12 10.88,40.3
  Bottom w0.5: v2(40.5,85.75) 40.5,88.5 ; v2(40.5,37.75) 40.5,40.5 ; v2(40.5,5.75) 40.5,8.5 ; v2(40.5,69.75) 40.5,72.5 ; v2(40.5,21.75) 40.5,24.5 ; v2(40.5,53.75) 40.5,56.5
  vias: v2(40.5,88.7) v2(40.5,72.7) v2(40.5,56.7) v2(40.5,40.7) v2(40.5,24.7) v2(40.5,8.7) v4(9.7,84.3) v4(9.7,84.3) v4(9.7,68.3) v4(9.7,68.3) v4(9.7,52.3) v4(9.7,52.3) v4(9.7,36.3) v4(9.7,36.3) v4(9.7,20.3) v4(9.7,20.3) v4(9.7,4.3) v4(9.7,4.3) v4(72.9,89.8) v4(72.9,73.8) v4(72.9,57.8) v4(72.9,41.8) v4(72.9,25.8) v4(72.9,9.8)
